# Altium PCB PE100-Rev1_1.PcbDoc (part 1 of 2) (continued)
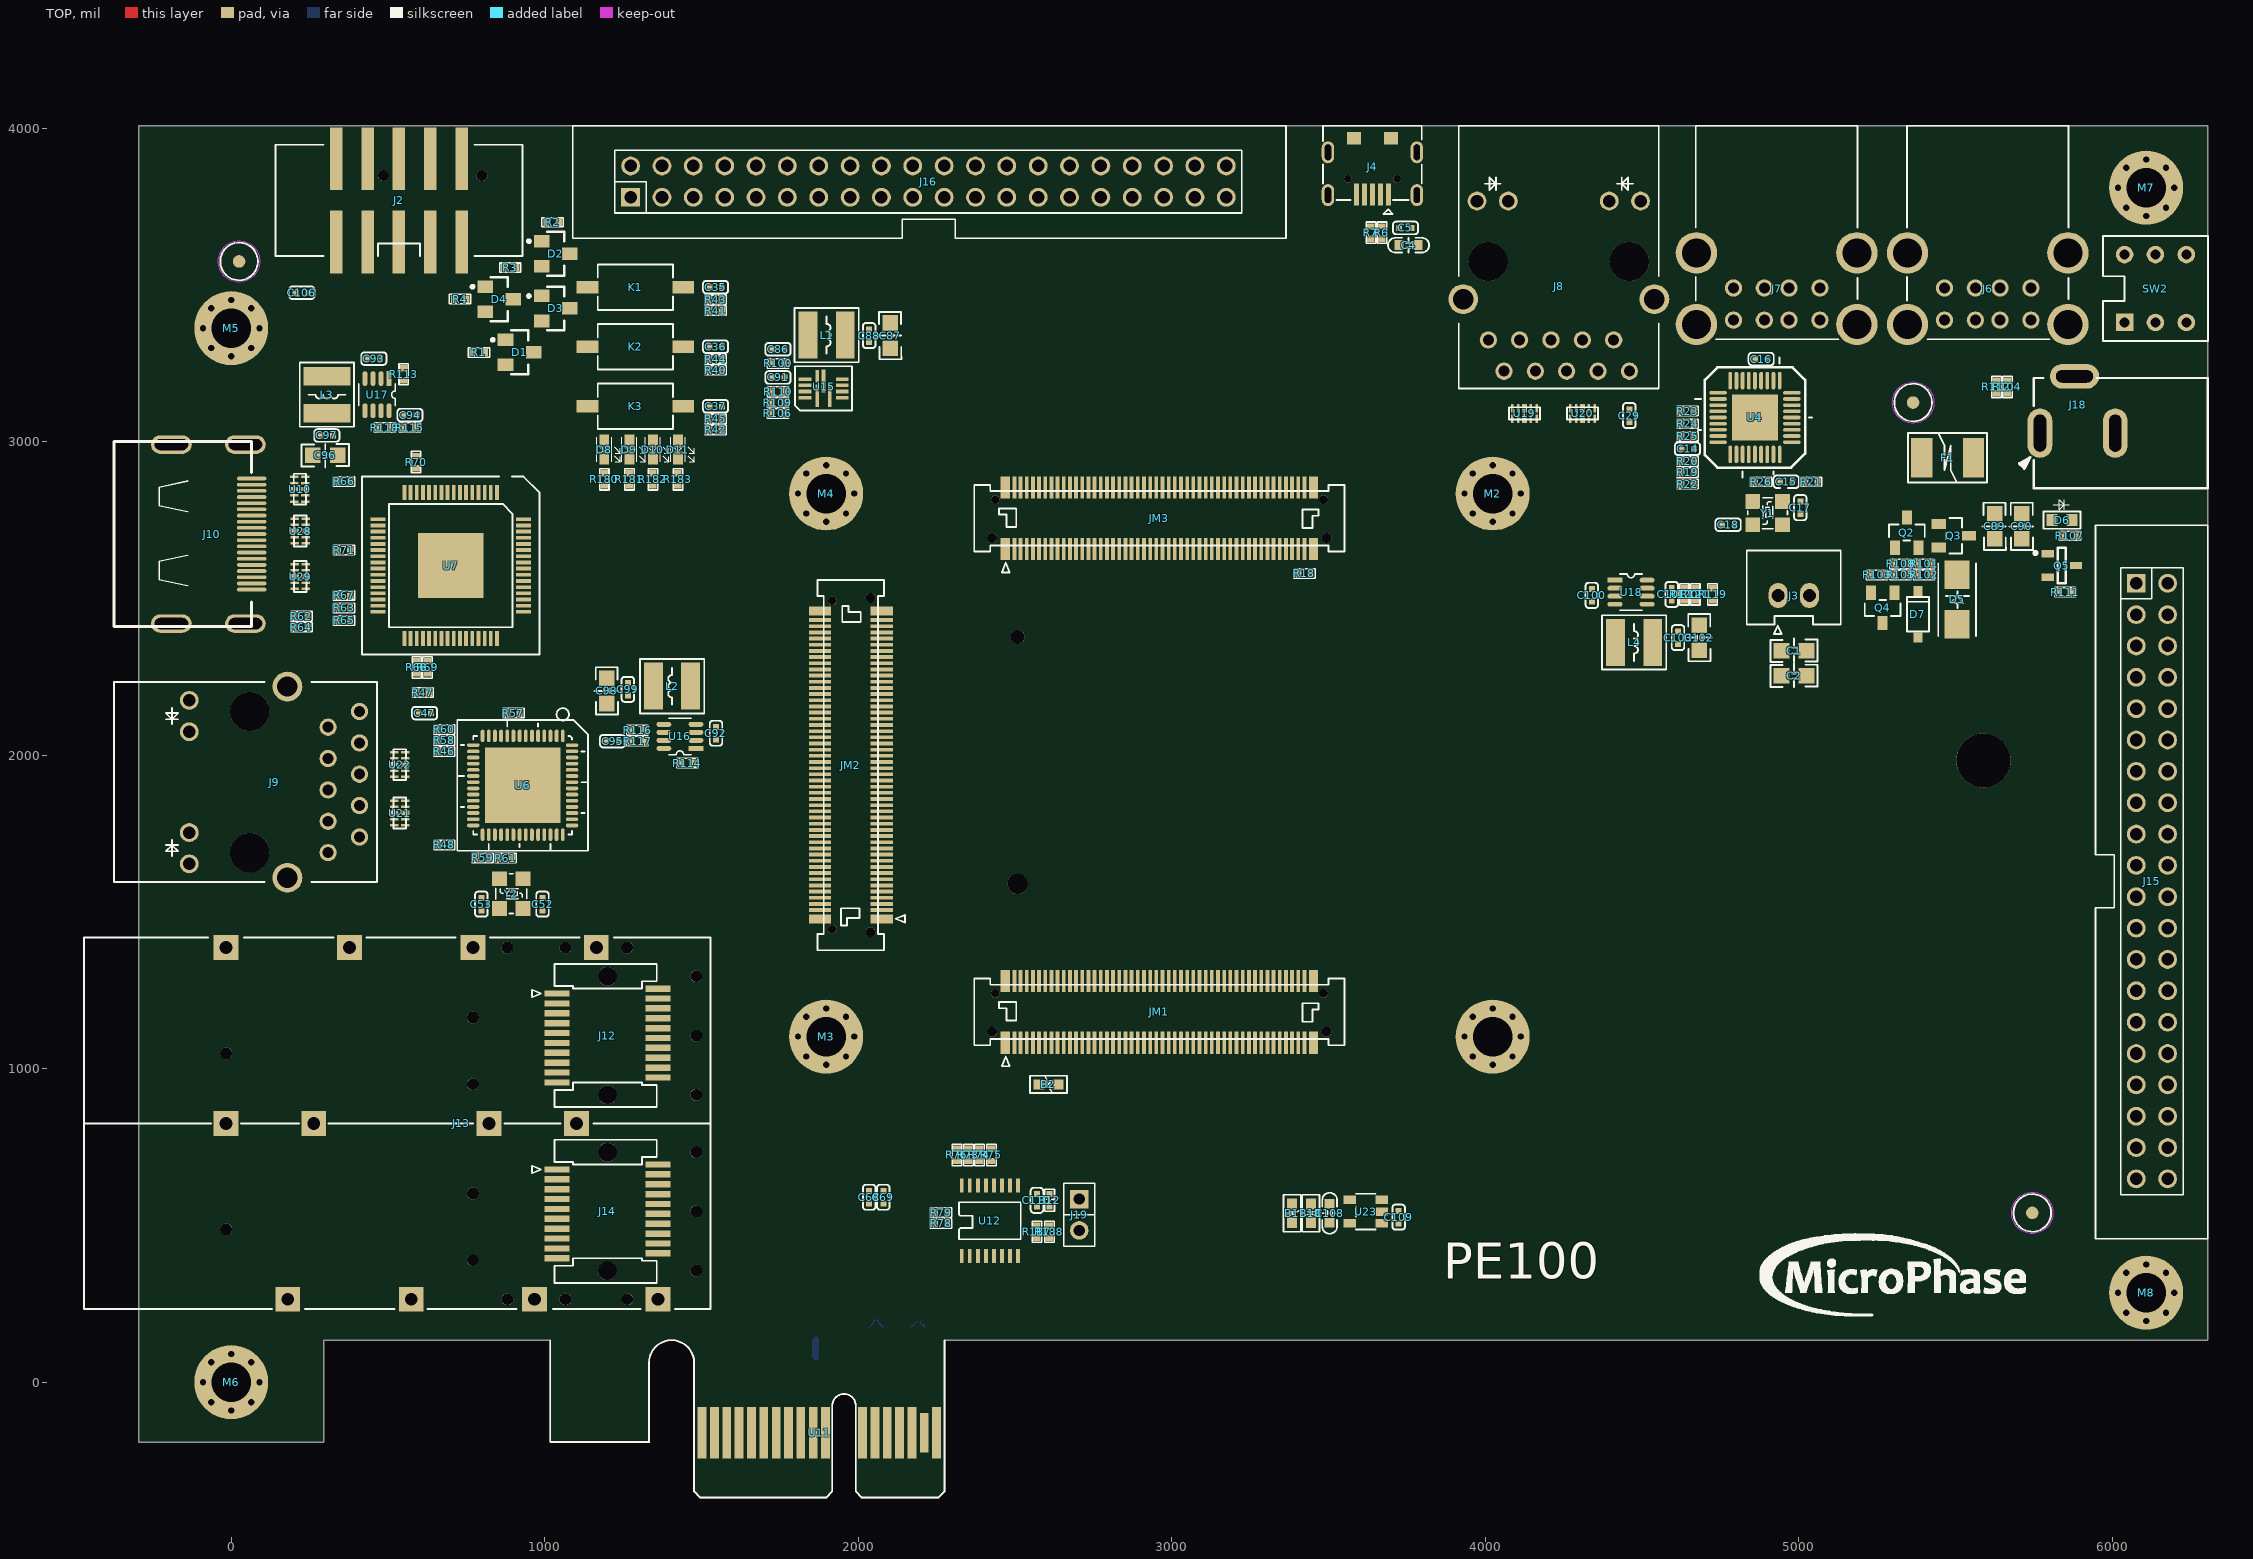
[diagram p0: TOP view]
## Components (designator, comment, footprint, x,y, rotation, side; value= is the part's Value field where it differs from the comment) (continued)
R45 "R_0402R_330R" 0402R#1 1544.69,3073 r180 top
R46 "RESISTOR_0402R_4.7K" 0402R#1 679.58,2012.3 r0 top
R47 "R_0402R_330R" 0402R#1 610.74,2200 r0 top
R48 "R_0402R_330R" 0402R#1 679.58,1714.04 r0 top
R57 "RESISTOR_0402R_4.7K" 0402R#1 900.04,2134.03 r0 top
R58 "RESISTOR_0402R_0R" 0402R#1 679.58,2047.3 r0 top
R59 "RESISTOR_0402R_4.99K 1%" 0402R#1 801.62,1672.78 r0 top
R60 "RESISTOR_0402R_0R(NC)" 0402R#1 679.58,2082.3 r0 top
R61 "R_0402R_10M(NC)" 0402R#1 875.2,1672.07 r180 top
R62 "RESISTOR_0402R_2K" 0402R#1 223.9,2443.42 r180 top
R63 "RESISTOR_0402R_0R" 0402R#1 360,2470 r0 top
R64 "RESISTOR_0402R_2K" 0402R#1 223.9,2408.42 r180 top
R65 "RESISTOR_0402R_0R" 0402R#1 360,2430 r0 top
R66 "RESISTOR_0402R_10K" 0402R#1 360,2873.46 r180 top
R67 "RESISTOR_0402R_2K" 0402R#1 360,2510 r0 top
R68 "RESISTOR_0402R_4.7K" 0402R#1 591.73,2280 r90 top
R69 "RESISTOR_0402R_4.7K" 0402R#1 626.26,2280 r90 top
R70 "RESISTOR_0402R_887R 1%" 0402R#1 590,2935 r90 top
R71 "RESISTOR_0402R_10K" 0402R#1 360,2654.21 r0 top
R72 "RESISTOR_0402R_DNI" 0402R#1 1845,135 r0 bottom
R73 "RESISTOR_0402R_22R" 0402R#1 2351.32,725 r90 top
R74 "RESISTOR_0402R_22R" 0402R#1 2386.32,725 r90 top
R75 "R_0402R_49R9" 0402R#1 2425,725 r270 top
R76 "R_0402R_49R9" 0402R#1 2315,725 r270 top
R78 "RES_0402R_0R" 0402R#1 2264.3,506.25 r0 top
R79 "RES_0402R_0R" 0402R#1 2264.3,541.25 r0 top
R80 "RESISTOR_0402R_10K" 0402R#1 2729.37,2258.7 r0 bottom
R81 "RESISTOR_0402R_10K" 0402R#1 2729.37,2045 r0 bottom
R82 "RESISTOR_0402R_10K" 0402R#1 2729.37,2010 r0 bottom
R83 "RESISTOR_0402R_10K" 0402R#1 2729.37,1975 r0 bottom
R84 "RESISTOR_0402R_10K" 0402R#1 2729.37,1940 r0 bottom
R85 "RESISTOR_0402R_10K" 0402R#1 2729.37,1785 r0 bottom
R86 "RESISTOR_0402R_10K" 0402R#1 2802.91,1940 r0 bottom
R87 "RESISTOR_0402R_10K" 0402R#2 2179.37,1677.99 r0 bottom
R88 "RESISTOR_0402R_10K" 0402R#1 1170,1175 r0 bottom
R89 "RESISTOR_0402R_10K" 0402R#1 1170,1015 r0 bottom
R90 "RESISTOR_0402R_10K" 0402R#1 1170,1215 r0 bottom
R91 "RESISTOR_0402R_10K" 0402R#1 1170,1135 r0 bottom
R92 "RESISTOR_0402R_10K" 0402R#1 1170,1095 r0 bottom
R93 "RESISTOR_0402R_10K" 0402R#1 1170,1055 r0 bottom
R94 "RESISTOR_0402R_10K" 0402R#1 1170,613.98 r0 bottom
R95 "RESISTOR_0402R_10K" 0402R#1 1170,453.98 r0 bottom
R96 "RESISTOR_0402R_10K" 0402R#1 1170,653.98 r0 bottom
R97 "RESISTOR_0402R_10K" 0402R#1 1170,573.98 r0 bottom
R98 "RESISTOR_0402R_10K" 0402R#1 1170,533.98 r0 bottom
R99 "RESISTOR_0402R_10K" 0402R#1 1170,493.98 r0 bottom
R100 "RES_0402R_3R3" 0402R#1 1744.25,3250 r180 top
R101 "R_0402R_30K" 0402R#1 5400,2610 r180 top
R102 "R_0402R_330R" 0402R#1 5400,2575 r180 top
R103 "R_0402R_4.7K" 0402R#1 5250,2575 r180 top
R104 "R_0402R_0R(NC)" 0402R#1 5665.63,3175 r270 top
R105 "R_0402R_10K" 0402R#1 5325,2575 r180 top
R106 "RES_0402R_100K" 0402R#1 1743.94,3090 r0 top
R107 "R_0402R_2K" 0402R#1 5865,2700 r0 top
R108 "R_0402R_30K" 0402R#1 5325,2610 r180 top
R109 "R_0402R_33K" 0402R#1 1743.94,3125 r180 top
R110 "RES_0402R_4.7K" 0402R#1 1744.56,3160 r180 top
R111 "R_0402R_10K" 0402R#1 5850,2520 r180 top
R112 "R_0402R_10K" 0402R#1 5630.63,3175 r270 top
R113 "RES_0402R_4.7K" 0402R#1 550,3215 r90 top
R114 "RES_0402R_4.7K" 0402R#1 1455,1975 r0 top
R115 "RES_0402R_20K 1%" 0402R#1 570,3045 r0 top
R116 "RES_0402R_6.8K 1%" 0402R#1 1296.26,2080 r180 top
R117 "RES_0402R_10K 1%" 0402R#1 1296.26,2045 r0 top
R118 "RES_0402R_10K 1%" 0402R#1 490,3045 r0 top
R119 "RES_0402R_4.7K" 0402R#1 4725,2513.11 r270 top
R120 "RES_0402R_45.3K 1%" 0402R#1 4635,2513.11 r270 top
R121 "RES_0402R_10K 1%" 0402R#1 4670,2513.11 r90 top
R177 "R_0402R_0R(NC)" 0402R#1 3365,3380 r270 bottom
R178 "R_0402R_0R(NC)" 0402R#1 3365,3455 r90 bottom
R179 "R_1206R_1M" 1206R 40,1980 r0 bottom
R180 "RESISTOR_0402R_330R" 0402R#1 1190,2880 r90 top
R181 "RESISTOR_0402R_330R" 0402R#1 1270,2880 r90 top
R182 "RESISTOR_0402R_330R" 0402R#1 1345,2880 r90 top
R183 "RESISTOR_0402R_330R" 0402R#1 1425,2880 r90 top
R184 "RES_0402R_0R" 0402R#1 2800,2258.7 r0 bottom
R185 "RES_0402R_0R(NC)" 0402R#1 2870,2258.7 r0 bottom
R186 "RES_0402R_100R 1%" 0402R#1 1775,1498.87 r270 bottom
R187 "RESISTOR_0402R_2K" 0402R#1 2570,480 r270 top
R188 "RESISTOR_0402R_2K" 0402R#1 2610,480 r90 top
SW2 "SW5_SW6-2P5-5P5_SW" SW6-2P5-5P5 6137.8,3488.62 r0 top
TP1 "TP_R_TP4_TP_R" TP4 422.1,3325 r0 bottom
U1 "USB2UART_CP2102_QFN28-0P5-5X5_C" QFN28-0P5-5X5 3643.21,3460 r270 bottom
U2 "LEVELSHIFT_TXS0102_SOP8-0P65-2X" SOP8-0P65-2X4 3443.21,3445 r0 bottom
U3 "LEVELSHIFT_TXS02612_SDIO_QFN24-" QFN24-0P5-4X4 870,3170 r0 bottom
U4 "USB2514_QFN36-0P5-6X6_USB2514" QFN36-0P5-6X6 4860.39,3077.24 r180 top
U5 "TPS2553DBV_SOT23-6_TPS2553DBV" SOT23-6 5182.52,3019.88 r90 bottom
U6 "88E1512_QFN56-0P5-8X8TS_88E1512" QFN56-0P5-8X8TS 929.58,1904.04 r270 top
U7 "ADV7513_QFP64_10X10_0P5_T_ADV75" QFP64_10X10_0P5_T 700,2605 r270 top
U10 "RCLAMP0564P_ESD_0524P_TPD4E05U0" ESD_0524P 218.9,2848.42 r90 top
U11 "PCIE_BRACKET_X1_PCIX-1PORT_PCIE" PCIX-1PORT 1837.42,-1557.1 r0 top
U12 "DSC557-0334SI0_TSSOP16-0P65-173" TSSOP16-0P65-173 2420,515 r0 top
U13 "OSC_3225_DIFF_TCXO3225_6P_OSC_D" TCXO3225_6P 1582,1476.23 r0 bottom
U15 "NB679 _NB679_NB679" NB679 1889.25,3170 r180 top
U16 "MP2143_SOT23-8_MP2143DJ" SOT23-8 1431.26,2060 r90 top
U17 "MP2143_SOT23-8_MP2143DJ" SOT23-8 465,3150 r180 top
U18 "MP2143_SOT23-8_MP2143DJ" SOT23-8 4465,2520 r270 top
U19 "RCLAMP0564P_ESD_0524P_TPD4E05U0" ESD_0524P 4125,3090 r0 top
U20 "RCLAMP0564P_ESD_0524P_TPD4E05U0" ESD_0524P 4310,3090 r0 top
U21 "RCLAMP0564P_ESD_0524P_TPD4E05U0" ESD_0524P 537.57,1815.46 r90 top
U22 "RCLAMP0564P_ESD_0524P_TPD4E05U0" ESD_0524P 537.57,1970 r90 top
U23 "SPX3819M5-2-5_SOT-23_SPX3819M5-" SOT-23 3618.86,543.89 r90 top
U28 "RCLAMP0564P_ESD_0524P_TPD4E05U0" ESD_0524P 220,2715 r90 top
U29 "RCLAMP0564P_ESD_0524P_TPD4E05U0" ESD_0524P 220,2570 r90 top
Y1 "CRYSTAL_4PIN_XTAL3225M_24M" XTAL3225M 4905.08,2772.24 r180 top
Y2 "CRYSTAL_4PIN_XTAL3225M_25M" XTAL3225M 892.91,1554.04 r90 top

## Footprints (in the part's own frame and the unit in brackets; to place one, negate y for a bottom-side part, rotate by r counter-clockwise, add the part's x,y. Pads: shape width x height; smd on the part's side, far side on the other; paste and mask are expansions set on the pad)
0402C#1 [mil] "0402C"
  rect 19x19 smd: 1(0,20) 2(0,-20)
  silkscreen extent -20,-40 20,40, body extent -21,-35 21,35, height 150
0402C#2 [mil] "0402C"
  rect 19x19 smd: 1(0,-20) 2(0,20)
  silkscreen extent -20,-40 20,40, body extent -21,-35 21,35, height 150
0402L [mil] "0402L"
  rect 19.69x19.69 smd: 1(-20.59,0.19) 2(19.41,0.19)
  silkscreen extent -36,-16 35,16, body extent -34,-14 34,14, height 150
0402R#1 [mil] "0402R"
  rect 20x24 smd: 1(-19.69,0) 2(19.69,0)
  silkscreen extent -34,-15 34,15, body extent -35,-15 35,15, height 150
0402R#2 [mil] "0402R"
  rect 20x24 smd: 1(19.69,0) 2(-19.69,0)
  silkscreen extent -34,-15 34,15, body extent -35,-15 35,15, height 150
0603C#1 [mil] "0603C"
  rect 32x30 smd: 1(0,30) 2(0,-30)
  silkscreen extent -24,-65 24,65, body extent -24,-61 24,61, height 150
0603C#2 [mil] "0603C"
  rect 32x30 smd: 1(0,-30) 2(0,30)
  silkscreen extent -24,-65 24,65, body extent -24,-61 24,61, height 150
0603F [mil] "0603F"
  rect 35x32 smd: 1(-30,0) 2(30,0)
  silkscreen extent -59,-28 59,28, body extent -55,-25 55,25, height 150
0603L#1 [mil] "0603L"
  rect 35x32 smd: 1(-30,0) 2(30,0)
  silkscreen extent -59,-28 59,28, body extent -55,-25 55,25, height 150
0603L#2 [mil] "0603L"
  rect 35x32 smd: 1(30,0) 2(-30,0)
  silkscreen extent -59,-28 59,28, body extent -55,-25 55,25, height 150
0603LED [mil] "0603LED"
  rect 35.43x31.5 smd: A(-30,0) K(30,0)
  silkscreen extent -40,-24 39,51, body extent -49,-24 49,24, height 150
0603LED_AK [mil] "0603LED_AK"
  rect 35.43x37.4 smd: A(31.5,0) K(-31.5,0)
  silkscreen extent -59,-65 59,28, body extent -59,-30 59,30, height 150
0805C#1 [mil] "0805C"
  rect 50x50 smd: 1(1.85,40) 2(1.85,-40)
  silkscreen extent -38,-75 38,75, body extent -38,-75 38,75, height 150
0805C#2 [mil] "0805C"
  rect 50x50 smd: 1(-1.85,-40) 2(-1.85,40)
  silkscreen extent -38,-75 38,75, body extent -38,-75 38,75, height 150
1206C#1 [mil] "1206C"
  rect 60x70 smd: 1(-59.5,0) 2(60.5,0)
  silkscreen extent -100,-45 100,45
1206C#2 [mil] "1206C"
  rect 60x70 smd: 1(59.5,0) 2(-60.5,0)
  silkscreen extent -100,-45 100,45, body extent -100,-45 100,45, height 150
1206R [mil] "1206R"
  rect 50x70 smd: 1(-60,0) 2(60,0)
  silkscreen extent -95,-45 95,45, body extent -95,-45 95,45, height 150
1812F [mil] "1812F"
  rect 68x126 smd: 1(-82.68,0) 2(82.68,0)
  silkscreen extent -126,-79 126,79, body extent -126,-79 126,79, height 150
1367073-1 [mil] "1367073-1"
  rect 80x20 smd: 1(-161.42,133.85) 2(-161.42,102.37) 3(-161.42,70.87) 4(-161.42,39.37) 5(-161.42,7.87) 6(-161.42,-23.62) 7(-161.42,-55.12) 8(-161.42,-86.61) 9(-161.42,-118.11) 10(-161.42,-149.6) 11(161.42,-133.85) 12(161.42,-102.36) 13(161.42,-70.86) 14(161.42,-39.38) 15(161.42,-7.88) 16(161.42,23.62) 17(161.42,55.11) 18(161.42,86.61) 19(161.42,118.11) 20(161.42,149.61)
  round 60 hole 60 unplated: ""(0,-188.97) ""(0,188.98)
  silkscreen extent -240,-228 157,228, body extent -173,-228 173,228, height 150
AO3415 [mm] "AO3415"
  rect 0.8x1.15 smd: D(0,1.225) G(-0.95,-1.225) S(0.95,-1.225)
  silkscreen extent -1.45,-0.65 1.45,0.65, body extent -1.5,-0.7 1.5,0.7, height 3.81
DC3_10P_2P54MM_SM [mil] "DC3_10P_2P54MM_SM"
  rect 200x40 smd: 1(132.68,-200) 2(-132.68,-200) 3(132.68,-100) 4(-132.68,-100) 5(132.68,0) 6(-132.68,0) 7(132.68,100) 8(-132.68,100) 9(132.68,200) 10(-132.68,200)
  silkscreen extent -177,-394 248,394, body extent -177,-394 177,394, height 150
DC_0050 [mm] "DC_0050"
  oval 2x4 hole 3 slot 1 at 0 deg: 1(-6.05,-0.75) 2(0.05,-0.75)
  oval 4x2 hole 1 slot 3 at 0 deg: 3(-3.25,3.85)
  silkscreen extent -7.75,-5.21 7.55,3.72, body extent -7.5,-5.25 7.5,5.25, height 3.81
ESD_0524P [mm] "ESD_0524P"
  rect 0.2x0.68 smd: 1(-1,-0.44) 2(-0.5,-0.44) 4(0.5,-0.44) 5(1,-0.44) 6(1,0.44) 7(0.5,0.44) 9(-0.5,0.44) 10(-1,0.44)
  rect 0.4x0.68 smd: 3(0,-0.44) 8(0,0.44)
  silkscreen extent -1.25,-1.4 1.25,0.5, body extent -1.3,-0.5 1.3,0.5, height 3.81
HDMI19S [mm] "HDMI19S"
  oval 0.3x2.4 smd: 1(4.5,5.5) 2(4,5.5) 3(3.5,5.5) 4(3,5.5) 5(2.5,5.5) 6(2,5.5) 7(1.5,5.5) 8(1,5.5) 9(0.5,5.5) 10(0,5.5) 11(-0.5,5.5) 12(-1,5.5) 13(-1.5,5.5) 14(-2,5.5) 15(-2.5,5.5) 16(-3,5.5) 17(-3.5,5.5) 18(-4,5.5) 19(-4.5,5.5)
  oval 1.5x3.3 hole 0.9 slot 2.7 at 90 deg: BO1(7.25,5) BO2(-7.25,5) BO3(7.25,-1) BO4(-7.25,-1)
  silkscreen extent -7.5,-5.65 7.5,5.5, body extent -7.5,-5.5 7.5,5.5, height 3.81
HOLE32CIR60 [mil] "HOLE32CIR60"
  round 236 hole 126: 1(0,0)
  round 40 hole 20: ""(-90,0) ""(-63.64,-63.64) ""(-63.64,63.64) ""(0,-90) ""(0,90) ""(63.64,-63.64) ""(63.64,63.64) ""(90,0)
  body extent -125,-125 125,125, height 150
HOLE173NH-TOP [mil] "HOLE173NH-TOP"
  rect 31.5x31.5 smd: 1(-46.71,112.56)
  round 173 hole 173 unplated: ""(0,0)
  silkscreen extent -155,-155 155,155, body extent -196,-196 196,196, height 150
IDC40-2_54A [mil] "IDC40-2_54A"
  rect 60x60 hole 40: 1(-952.5,-50)
  round 60 hole 40: 2(-952.5,50) 3(-852.5,-50) 4(-852.5,50) 5(-752.5,-50) 6(-752.5,50) 7(-652.5,-50) 8(-652.5,50) 9(-552.5,-50) 10(-552.5,50) 11(-452.5,-50) 12(-452.5,50) 13(-352.5,-50) 14(-352.5,50) 15(-252.5,-50) 16(-252.5,50) 17(-152.5,-50) 18(-152.5,50) 19(-52.5,-50) 20(-52.5,50) 21(47.5,-50) 22(47.5,50) 23(147.5,-50) 24(147.5,50) 25(247.5,-50) 26(247.5,50) 27(347.5,-50) 28(347.5,50) 29(447.5,-50) 30(447.5,50) 31(547.5,-50) 32(547.5,50) 33(647.5,-50) 34(647.5,50) 35(747.5,-50) 36(747.5,50) 37(847.5,-50) 38(847.5,50) 39(947.5,-50) 40(947.5,50)
  silkscreen extent -1138,-180 1138,178, body extent -1137,-180 1138,180, height 150
L0805#1 [mm] "L0805"
  rect 1.1x1.3 smd: 1(0.95,0) 2(-0.95,0)
  silkscreen extent -1.85,-1 1.85,1, body extent -1.75,-0.9 1.75,0.9, height 3.81
L0805#2 [mm] "L0805"
  rect 1.1x1.3 smd: 1(-0.95,0) 2(0.95,0)
  silkscreen extent -1.85,-1 1.85,1, body extent -1.75,-0.9 1.75,0.9, height 3.81
L4020 [mil] "L4020"
  rect 60x150 smd: 1(-59.06,0) 2(59.06,0)
  silkscreen extent -102,-87 102,87, body extent -94,-83 94,83, height 150
M2_KEY_M_SOCKET [mil] "M2_KEY_M_SOCKET"
  rect 62x12 smd: 1(-148.62,-364.17) 2(148.62,-354.33) 3(-148.62,-344.49) 4(148.62,-334.65) 5(-148.62,-324.8) 6(148.62,-314.96) 7(-148.62,-305.12) 8(148.62,-295.28) 9(-148.62,-285.43) 10(148.62,-275.59) 11(-148.62,-265.75) 12(148.62,-255.91) 13(-148.62,-246.06) 14(148.62,-236.22) 15(-148.62,-226.38) 16(148.62,-216.54) 17(-148.62,-206.69) 18(148.62,-196.85) 19(-148.62,-187.01) 20(148.62,-177.17) 21(-148.62,-167.32) 22(148.62,-157.48) 23(-148.62,-147.64) 24(148.62,-137.79) 25(-148.62,-127.95) 26(148.62,-118.11) 27(-148.62,-108.27) 28(148.62,-98.42) 29(-148.62,-88.58) 30(148.62,-78.74) 31(-148.62,-68.9) 32(148.62,-59.06) 33(-148.62,-49.21) 34(148.62,-39.37) 35(-148.62,-29.53) 36(148.62,-19.68) 37(-148.62,-9.84) 38(148.62,0) 39(-148.62,9.84) 40(148.62,19.68) 41(-148.62,29.53) 42(148.62,39.37) 43(-148.62,49.21) 44(148.62,59.06) 45(-148.62,68.9) 46(148.62,78.74) 47(-148.62,88.58) 48(148.62,98.42) 49(-148.62,108.27) 50(148.62,118.11) 51(-148.62,127.95) 52(148.62,137.8) 53(-148.62,147.64) 54(148.62,157.48) 55(-148.62,167.32) 56(148.62,177.16) 57(-148.62,187.01) 58(148.62,196.85) 67(-148.62,285.43) 68(148.62,295.28) 69(-148.62,305.12) 70(148.62,314.96) 71(-148.62,324.8) 72(148.62,334.65) 73(-148.62,344.49) 74(148.62,354.33) 75(-148.62,364.17)
  rect 110x48 smd: ""(-118.11,-407.48) ""(-118.11,407.48)
  round 45 hole 45 unplated: ""(59.05,-393.7)
  round 65 hole 65 unplated: ""(59.05,393.7)
  silkscreen extent -222,-433 3227,433, body extent -157,-433 157,433, height 150
NB679 [mil] "NB679"
  rect 12x72 smd: 1(19.69,23.62) 2(-19.69,23.62) 7(0,-23.62)
  rect 40x12 smd: 3(-59.06,29.53) 4(-59.06,9.84) 5(-59.06,-9.84) 6(-59.06,-29.53) 9(59.06,-29.53) 10(59.06,-9.84) 11(59.06,9.84) 12(59.06,29.53)
  rect 12x40 smd: 8(19.69,-39.37)
  silkscreen extent -91,-71 91,98, body extent -67,-52 67,52, height 150
PCIX-1PORT [mil] "PCIX-1PORT"
  rect 28x126 smd far side: A1(-335.45,1395.62)
  rect 28x165 smd far side: A2(-296.08,1395.62) A3(-256.71,1395.62) A4(-217.34,1395.62) A5(-177.97,1395.62) A6(-138.6,1395.62) A7(-99.23,1395.62) A8(-59.86,1395.62) A9(-20.49,1395.62) A10(18.88,1395.62) A11(58.25,1395.62) A12(176.37,1395.62) A13(215.74,1395.62) A14(255.11,1395.62) A15(294.48,1395.62) A16(333.85,1395.62) A17(373.22,1395.62) A18(412.59,1395.62)
  rect 28x165 smd: B1(-335.45,1395.62) B2(-296.08,1395.62) B3(-256.71,1395.62) B4(-217.34,1395.62) B5(-177.97,1395.62) B6(-138.6,1395.62) B7(-99.23,1395.62) B8(-59.86,1395.62) B9(-20.49,1395.62) B10(18.88,1395.62) B11(58.25,1395.62) B12(176.37,1395.62) B13(215.74,1395.62) B14(255.11,1395.62) B15(294.48,1395.62) B16(333.85,1395.62) B18(412.59,1395.62)
  rect 28x126 smd: B17(373.22,1395.62)
  silkscreen extent -820,1189 438,1691
QFN24-0P5-4X4 [mil] "QFN24-0P5-4X4"
  oval 32x10 smd: 1(75.78,-49.22) 2(75.78,-29.54) 3(75.78,-9.85) 4(75.78,9.83) 5(75.78,29.52) 6(75.78,49.2) 13(-75.78,49.2) 14(-75.78,29.52) 15(-75.78,9.83) 16(-75.78,-9.85) 17(-75.78,-29.54) 18(-75.78,-49.22)
  oval 10x32 smd: 7(49.22,75.8) 8(29.54,75.8) 9(9.85,75.8) 10(-9.83,75.8) 11(-29.52,75.8) 12(-49.2,75.8) 19(-49.2,-75.8) 20(-29.52,-75.8) 21(-9.83,-75.8) 22(9.85,-75.8) 23(29.53,-75.8) 24(49.22,-75.8)
  rect 80x80 smd: 25(0,0)
  silkscreen extent -86,-85 110,86, body extent -87,-87 87,87, height 150
QFN28-0P5-5X5 [mil] "QFN28-0P5-5X5"
  oval 36x12 smd: 1(-94.49,59.07) 2(-94.49,39.39) 3(-94.49,19.7) 4(-94.49,0.02) 5(-94.49,-19.67) 6(-94.49,-39.36) 7(-94.49,-59.04) 15(94.49,-59.04) 16(94.49,-39.36) 17(94.49,-19.67) 18(94.49,0.01) 19(94.49,19.7) 20(94.49,39.39) 21(94.49,59.07)
  oval 12x36 smd: 8(-59.07,-94.48) 9(-39.38,-94.48) 10(-19.7,-94.48) 11(-0.01,-94.48) 12(19.67,-94.48) 13(39.36,-94.48) 14(59.04,-94.48) 22(59.05,94.48) 23(39.37,94.48) 24(19.68,94.48) 25(0,94.48) 26(-19.69,94.48) 27(-39.37,94.48) 28(-59.06,94.48)
  rect 110.24x110.24 smd: 29(0,0)
  silkscreen extent -132,-144 144,133, body extent -110,-110 110,110, height 150
QFN36-0P5-6X6 [mil] "QFN36-0P5-6X6"
  oval 56x12 smd: 1(-117.59,78.74) 2(-117.59,59.06) 3(-117.59,39.37) 4(-117.59,19.69) 5(-117.59,0) 6(-117.59,-19.69) 7(-117.59,-39.37) 8(-117.59,-59.06) 9(-117.59,-78.74) 19(117.59,-78.74) 20(117.59,-59.06) 21(117.59,-39.37) 22(117.59,-19.69) 23(117.59,0) 24(117.59,19.69) 25(117.59,39.37) 26(117.59,59.06) 27(117.59,78.74)
  oval 12x56 smd: 10(-78.74,-117.59) 11(-59.06,-117.59) 12(-39.37,-117.59) 13(-19.69,-117.59) 14(0,-117.59) 15(19.69,-117.59) 16(39.37,-117.59) 17(59.06,-117.59) 18(78.74,-117.59) 28(78.74,117.59) 29(59.06,117.59) 30(39.37,117.59) 31(19.69,117.59) 32(0,117.59) 33(-19.69,117.59) 34(-39.37,117.59) 35(-59.06,117.59) 36(-78.74,117.59)
  rect 146x146 smd: 37(0,0)
  silkscreen extent -197,-192 192,192, body extent -205,-205 205,205, height 150
QFN56-0P5-8X8TS [mil] "QFN56-0P5-8X8TS"
  oval 40x12 smd: 1(-157.48,127.95) 2(-157.48,108.27) 3(-157.48,88.58) 4(-157.48,68.9) 5(-157.48,49.21) 6(-157.48,29.53) 7(-157.48,9.84) 8(-157.48,-9.84) 9(-157.48,-29.53) 10(-157.48,-49.21) 11(-157.48,-68.9) 12(-157.48,-88.58) 13(-157.48,-108.27) 14(-157.48,-127.95) 29(157.48,-127.95) 30(157.48,-108.27) 31(157.48,-88.58) 32(157.48,-68.9) 33(157.48,-49.21) 34(157.48,-29.53) 35(157.48,-9.84) 36(157.48,9.84) 37(157.48,29.53) 38(157.48,49.21) 39(157.48,68.9) 40(157.48,88.58) 41(157.48,108.27) 42(157.48,127.95)
  oval 12x40 smd: 15(-127.95,-157.48) 16(-108.27,-157.48) 17(-88.58,-157.48) 18(-68.9,-157.48) 19(-49.21,-157.48) 20(-29.53,-157.48) 21(-9.84,-157.48) 22(9.84,-157.48) 23(29.53,-157.48) 24(49.21,-157.48) 25(68.9,-157.48) 26(88.58,-157.48) 27(108.27,-157.48) 28(127.95,-157.48) 43(127.95,157.48) 44(108.27,157.48) 45(88.58,157.48) 46(68.9,157.48) 47(49.21,157.48) 48(29.53,157.48) 49(9.84,157.48) 50(-9.84,157.48) 51(-29.53,157.48) 52(-49.21,157.48) 53(-68.9,157.48) 54(-88.58,157.48) 55(-108.27,157.48) 56(-127.95,157.48)
  rect 240x240 smd: 57(0,0)
  silkscreen extent -246,-209 209,209, body extent -189,-189 189,189, height 150
QFP64_10X10_0P5_T [mil] "QFP64_10X10_0P5_T"
  rect 48x12 smd: 1(-232.28,147.64) 2(-232.28,127.95) 3(-232.28,108.27) 4(-232.28,88.58) 5(-232.28,68.9) 6(-232.28,49.21) 7(-232.28,29.53) 8(-232.28,9.84) 9(-232.28,-9.84) 10(-232.28,-29.53) 11(-232.28,-49.21) 12(-232.28,-68.9) 13(-232.28,-88.58) 14(-232.28,-108.27) 15(-232.28,-127.95) 16(-232.28,-147.64) 33(232.28,-147.64) 34(232.28,-127.95) 35(232.28,-108.27) 36(232.28,-88.58) 37(232.28,-68.9) 38(232.28,-49.21) 39(232.28,-29.53) 40(232.28,-9.84) 41(232.28,9.84) 42(232.28,29.53) 43(232.28,49.21) 44(232.28,68.9) 45(232.28,88.58) 46(232.28,108.27) 47(232.28,127.95) 48(232.28,147.64)
  rect 12x48 smd: 17(-147.64,-232.28) 18(-127.95,-232.28) 19(-108.27,-232.28) 20(-88.58,-232.28) 21(-68.9,-232.28) 22(-49.21,-232.28) 23(-29.53,-232.28) 24(-9.84,-232.28) 25(9.84,-232.28) 26(29.53,-232.28) 27(49.21,-232.28) 28(68.9,-232.28) 29(88.58,-232.28) 30(108.27,-232.28) 31(127.95,-232.28) 32(147.64,-232.28) 49(147.64,232.28) 50(127.95,232.28) 51(108.27,232.28) 52(88.58,232.28) 53(68.9,232.28) 54(49.21,232.28) 55(29.53,232.28) 56(9.84,232.28) 57(-9.84,232.28) 58(-29.53,232.28) 59(-49.21,232.28) 60(-68.9,232.28) 61(-88.58,232.28) 62(-108.27,232.28) 63(-127.95,232.28) 64(-147.64,232.28)
  rect 208.66x208.66 smd: 65(0,0)
  silkscreen extent -283,-283 283,283, body extent -244,-244 244,244, height 150
QT51A01-38200-7H [mm] "QT51A01-38200-7H"
  rect 1.8x0.75 smd: 1(-2.5,12.479) 2(2.5,12.479) 99(-2.5,-12.479) 100(2.5,-12.479)
  rect 1.8x0.305 smd: 3(-2.5,11.75) 4(2.5,11.75) 5(-2.5,11.25) 6(2.5,11.25) 7(-2.5,10.75) 8(2.5,10.75) 9(-2.5,10.25) 10(2.5,10.25) 11(-2.5,9.75) 12(2.5,9.75) 13(-2.5,9.25) 14(2.5,9.25) 15(-2.5,8.75) 16(2.5,8.75) 17(-2.5,8.25) 18(2.5,8.25) 19(-2.5,7.75) 20(2.5,7.75) 21(-2.5,7.25) 22(2.5,7.25) 23(-2.5,6.75) 24(2.5,6.75) 25(-2.5,6.25) 26(2.5,6.25) 27(-2.5,5.75) 28(2.5,5.75) 29(-2.5,5.25) 30(2.5,5.25) 31(-2.5,4.75) 32(2.5,4.75) 33(-2.5,4.25) 34(2.5,4.25) 35(-2.5,3.75) 36(2.5,3.75) 37(-2.5,3.25) 38(2.5,3.25) 39(-2.5,2.75) 40(2.5,2.75) 41(-2.5,2.25) 42(2.5,2.25) 43(-2.5,1.75) 44(2.5,1.75) 45(-2.5,1.25) 46(2.5,1.25) 47(-2.5,0.75) 48(2.5,0.75) 49(-2.5,0.25) 50(2.5,0.25) 51(-2.5,-0.25) 52(2.5,-0.25) 53(-2.5,-0.75) 54(2.5,-0.75) 55(-2.5,-1.25) 56(2.5,-1.25) 57(-2.5,-1.75) 58(2.5,-1.75) 59(-2.5,-2.25) 60(2.5,-2.25) 61(-2.5,-2.75) 62(2.5,-2.75) 63(-2.5,-3.25) 64(2.5,-3.25) 65(-2.5,-3.75) 66(2.5,-3.75) 67(-2.5,-4.25) 68(2.5,-4.25) 69(-2.5,-4.75) 70(2.5,-4.75) 71(-2.5,-5.25) 72(2.5,-5.25) 73(-2.5,-5.75) 74(2.5,-5.75) 75(-2.5,-6.25) 76(2.5,-6.25) 77(-2.5,-6.75) 78(2.5,-6.75) 79(-2.5,-7.25) 80(2.5,-7.25) 81(-2.5,-7.75) 82(2.5,-7.75) 83(-2.5,-8.25) 84(2.5,-8.25) 85(-2.5,-8.75) 86(2.5,-8.75) 87(-2.5,-9.25) 88(2.5,-9.25) 89(-2.5,-9.75) 90(2.5,-9.75) 91(-2.5,-10.25) 92(2.5,-10.25) 93(-2.5,-10.75) 94(2.5,-10.75) 95(-2.5,-11.25) 96(2.5,-11.25) 97(-2.5,-11.75) 98(2.5,-11.75)
  round 0.8 hole 0.8 unplated: ""(-1.6,13.55) ""(-1.6,-13.55)
  round 0.7 hole 0.7 unplated: ""(1.5,13.3) ""(1.5,-13.3)
  silkscreen extent -4.4,-15 2.7,15, body extent -2.7,-15 2.7,15, height 3.81
RJ45_HR911130A [mil] "RJ45_HR911130A"
  round 55 hole 35: 1(225.2,-363.78) 2(175.2,-263.78) 3(125.2,-363.78) 4(75.2,-263.78) 5(25.2,-363.78) 6(-24.8,-263.78) 7(-74.8,-363.78) 8(-124.8,-263.78) 9(-174.8,-363.78) 10(-224.8,-263.78)
  round 60 hole 40: 11(260.83,179.13) 12(160.83,179.13) 13(-160.83,179.13) 14(-260.83,179.13)
  round 95 / inner round 85 / far side round 95 hole 65: 15(304.92,-133.86) 16(-304.92,-133.86)
  round 125 hole 125 unplated: ""(-225,-13.78) ""(225,-13.78)
  silkscreen extent -319,-419 319,419, body extent -319,-419 319,419, height 150
SFPX2_CASE [mil] "SFPX2_CASE"
  rect 79x79 / inner round 79 / far side rect 79x79 hole 41: 1(-555.52,349.41) 2(-555.52,-44.29) 3(-555.52,-438) 4(-555.52,-831.69) 5(5.5,546.26) 6(5.5,266.74) 7(5.5,-292.32) 8(5.5,-571.85) 9(566.52,546.26) 10(566.52,152.56) 11(566.52,-241.14) 12(566.52,-634.84)
  round 38 hole 38 unplated: ""(-555.52,-733.27) ""(-555.52,-536.42) ""(-555.52,-351.39) ""(-464.18,-953.74) ""(-430.72,-241.15) ""(-332.29,546.26) ""(-275.21,-953.74) ""(-218.12,-241.14) ""(-86.23,-953.74) ""(96.84,-953.74) ""(130.3,-241.14) ""(228.73,546.26) ""(285.81,-953.74) ""(342.9,-241.14) ""(474.79,-953.74) ""(566.52,-733.27) ""(566.52,-536.42) ""(566.52,-351.39)
  silkscreen extent -587,-999 598,999, body extent -606,-1007 606,1007, height 150
SIP2-2P54 [mil] "SIP2-2P54"
  rect 59.06x59.06 / inner round 59.06 / far side rect 59.06x59.06 hole 35.43: 1(-49.2,0)
  round 59.06 hole 35.43: 2(50.8,0)
  silkscreen extent -99,-50 101,50, body extent -148,-50 149,50, height 150
SMA [mm] "SMA"
  rect 2.3x2 smd: A(-2,0) K(2,0)
  silkscreen extent -2.99,-1.52 2.93,1.52, body extent -3.17,-1.52 3.17,1.52, height 3.81
SOD123_AK [mil] "SOD123_AK"
  rect 32x28 smd: A(73.84,0) K(-73.8,0)
  silkscreen extent -55,-35 55,35, body extent -90,-35 90,35, height 150
SOP8-0P65-2X4 [mil] "SOP8-0P65-2X4"
  rect 16x48 smd: 1(38.58,78.74)
  oval 16x48 smd: 2(12.99,78.74) 3(-12.99,78.74) 4(-38.58,78.74) 5(-38.58,-78.74) 6(-12.99,-78.74) 7(12.99,-78.74) 8(38.58,-78.74)
  silkscreen extent -54,-47 84,118, body extent -55,-122 55,122, height 150
SOT23 [mm] "SOT23"
  rect 1x0.6 smd: 1(-1.15,0.95) 2(-1.15,-0.95) 3(1.15,0)
  silkscreen extent -2.27,-1.45 0.33,1.45, body extent -1.9,-1.8 1.9,1.8, height 3.81
SOT23-3 [mil] "SOT23-3"
  rect 31.5x45.28 smd: 1(-37.4,-48.23) 2(37.4,-48.23) 3(0,48.23)
  silkscreen extent -57,-26 57,26, body extent -59,-28 59,28, height 150
SOT23-6 [mil] "SOT23-6"
  rect 40x24 smd: 1(-55.12,37.4) 2(-55.12,0) 3(-55.12,-37.4) 4(55.12,-37.4) 5(55.12,0) 6(55.12,37.4)
  silkscreen extent -28,-59 28,59
SOT23-8 [mm] "SOT23-8"
  rect 0.4x1.2 smd: 1(-0.975,-1.3)
  oval 0.4x1.2 smd: 2(-0.325,-1.3) 3(0.325,-1.3) 4(0.975,-1.3) 5(0.975,1.3) 6(0.325,1.3) 7(-0.325,1.3) 8(-0.975,1.3)
  silkscreen extent -1.48,-0.9 1.48,0.9, body extent -1.5,-1.9 1.5,1.9, height 3.81
SOT23-236AB [mil] "SOT23-236AB"
  rect 40x50 smd: 1(-40,-45) 2(40,-45) 3(0,45)
  silkscreen extent -70,-90 70,28, body extent -61,-54 61,54, height 150
SOT-23 [mil] "SOT-23"
  rect 27x39 smd: 1(-37.4,-50.98) 2(0,-50.98) 3(37.4,-50.98) 4(37.4,50.98) 5(-37.4,50.98)
  silkscreen extent -57,-32 57,32, body extent -65,-78 65,78, height 150
SW2_3X6 [mil] "SW2_3X6"
  rect 70x40 smd: 1(-152.56,2.5) 2(152.56,2.5)
  silkscreen extent -120,-70 120,75, body extent -195,-78 195,78, height 150
SW6-2P5-5P5 [mil] "SW6-2P5-5P5"
  rect 56x56 / inner round 56 / far side rect 56x56 hole 32: 1(-98.43,-108.27)
  round 56 hole 32: 2(0,-108.27) 3(98.43,-108.27) 4(-98.43,108.27) 5(0,108.27) 6(98.43,108.27)
  silkscreen extent -167,-167 167,167
TCXO3225_6P [mil] "TCXO3225_6P"
  rect 40x40 smd: 1(-31.5,44.29) 3(-31.5,-44.29) 4(31.5,-44.29) 6(31.5,44.29)
  rect 40x24 smd: 2(-31.5,0) 5(31.5,0)
  silkscreen extent -98,-75 63,75, body extent -54,-66 54,66, height 150
TF-15-15B [mm] "TF-15-15B"
  rect 0.7x1.4 smd: 1(2.244,7.1) 2(1.144,7.1) 3(0.044,7.1) 4(-1.056,7.1) 5(-2.156,7.1) 6(-3.256,7.1) 7(-4.356,7.1) 8(-5.456,7.1) 9(-6.556,7.1)
  rect 1.6x1.4 smd: 10(-8.006,6.5) 11(6.844,6.5)
  rect 1.2x2.2 smd: 12(-7.756,-3.1) 13(7.744,-3.1)
  round 0.9 hole 0.9 unplated: ""(-4.956,-3.5) ""(3.044,-3.5)
  silkscreen extent -7.51,-12.7 7.49,7.5, body extent -7.49,-7.5 7.49,7.5, height 3.81
TP4 [mm] "TP4"
  round 1 smd: 1(0,0)
  body extent -0.45,-0.45 0.45,0.45, height 3.81
TSSOP16-0P65-173 [mil] "TSSOP16-0P65-173"
  rect 12x44 smd: 1(-89.57,-112.2) 2(-63.98,-112.2) 3(-38.39,-112.2) 4(-12.8,-112.2) 5(12.8,-112.2) 6(38.39,-112.2) 7(63.98,-112.2) 8(89.57,-112.2) 9(89.57,112.21) 10(63.98,112.21) 11(38.39,112.21) 12(12.8,112.21) 13(-12.8,112.21) 14(-38.39,112.21) 15(-63.98,112.21) 16(-89.57,112.21)
  silkscreen extent -102,-169 98,59, body extent -110,-150 110,150, height 150
USB_TPYEA_DUAL [mil] "USB_TPYEA_DUAL"
  round 55 hole 35: A1(177.17,137.8) A2(177.17,39.37) A3(177.17,-39.37) A4(177.17,-137.8) B1(279.53,137.8) B2(279.53,39.37) B3(279.53,-39.37) B4(279.53,-137.8)
  round 132 hole 92: S1(293.31,255.91) S2(293.31,-255.91) S3(64.96,255.91) S4(64.96,-255.91)
  silkscreen extent -341,-258 341,258, body extent -341,-258 341,258, height 150
USBMICRO_H [mil] "USBMICRO_H"
  rect 16x70 smd: 1(-51.18,97.5) 2(-25.59,97.5) 3(0,97.5) 4(25.59,97.5) 5(51.18,97.5)
  oval 40x70 hole 50 slot 20 at 0 deg: 6(-141.73,99.7) 7(141.73,99.7) 8(-141.73,-36.91) 9(141.73,-36.91)
  rect 44x40 smd: 10(-59.06,-82.19) 11(59.06,-82.19)
  round 24 hole 24 unplated: ""(-78.74,47.74) ""(78.74,47.74)
  silkscreen extent -157,-122 157,160, body extent -165,-138 165,138, height 150
XH2_1X2_2P54MM [mil] "XH2_1X2_2P54MM"
  oval 80x60 / inner round 60 / far side oval 80x60 hole 40: 1(25.59,-49.8) 2(25.59,50.2)
  silkscreen extent -118,-150 149,150, body extent -118,-150 118,150, height 150
XTAL3225M [mm] "XTAL3225M"
  rect 1.2x1.2 smd: 1(-1.09,-0.95) 2(1.31,-0.95) 3(1.31,0.95) 4(-1.09,0.95)
  silkscreen extent -1.5,-1.99 1.71,1.25, body extent -2.01,-1.65 2.23,1.65, height 3.81

## Free pads (board coordinates)
  round 40 smd: 1(25,3575) 1(5365,3124.95) 1(5745,539.95)
  round 40 smd far side: 1(50,3609.95) 1(1615,370) 1(5835,474.95)

## Text inside footprints (layer, text, board x,y; h text height)
C102: PIN_NUMBER "1" at 4673.15,2335 h25 r180; PIN_NUMBER "2" at 4673.15,2415 h25 r180
C103: PIN_NUMBER "1" at 4605,2355 h25 r180; PIN_NUMBER "2" at 4605,2395 h25 r180
C104: PIN_NUMBER "2" at -30,1880 h25; PIN_NUMBER "1" at 90,1880 h25
C105: PIN_NUMBER "1" at 3415,3305 h25 r90; PIN_NUMBER "2" at 3455,3305 h25 r90
C106: PIN_NUMBER "1" at 235,3475 h25 r270; PIN_NUMBER "2" at 195,3475 h25 r270
C108: PIN_NUMBER "2" at 3493.86,568.89 h25 r180; PIN_NUMBER "1" at 3493.86,508.89 h25 r180
C109: PIN_NUMBER "1" at 3713.86,506.49 h25 r180; PIN_NUMBER "2" at 3713.86,546.49 h25 r180
C110: PIN_NUMBER "2" at 2560,600.18 h25 r180; PIN_NUMBER "1" at 2560,560.18 h25 r180
C111: PIN_NUMBER "2" at 445,2465 h25 r270; PIN_NUMBER "1" at 485,2465 h25 r270
C112: PIN_NUMBER "2" at 890,2870 h25 r180; PIN_NUMBER "1" at 890,2830 h25 r180
C113: PIN_NUMBER "2" at 826.85,2925 h25 r180; PIN_NUMBER "1" at 826.85,2845 h25 r180
C114: PIN_NUMBER "2" at 885,2500 h25 r270; PIN_NUMBER "1" at 925,2500 h25 r270
C115: PIN_NUMBER "2" at 770,2715 h25; PIN_NUMBER "1" at 770,2755 h25
C116: PIN_NUMBER "2" at 530,2720 h25; PIN_NUMBER "1" at 530,2760 h25
C117: PIN_NUMBER "2" at 485,2600 h25 r90; PIN_NUMBER "1" at 445,2600 h25 r90
C118: PIN_NUMBER "2" at 466.85,2860 h25 r180; PIN_NUMBER "1" at 466.85,2780 h25 r180
C119: PIN_NUMBER "2" at 485,2715 h25 r90; PIN_NUMBER "1" at 445,2715 h25 r90
C120: PIN_NUMBER "2" at 575,2720 h25; PIN_NUMBER "1" at 575,2760 h25
C121: PIN_NUMBER "2" at 683.15,2680 h25; PIN_NUMBER "1" at 683.15,2760 h25
C122: PIN_NUMBER "2" at 620,2720 h25; PIN_NUMBER "1" at 620,2760 h25
D1: PIN_NUMBER "2" at 865,3245 h25 r270; PIN_NUMBER "3" at 955,3285 h25 r270; PIN_NUMBER "1" at 865,3325 h25 r270
D2: PIN_NUMBER "3" at 1070,3600 h25 r270; PIN_NUMBER "2" at 980,3560 h25 r270; PIN_NUMBER "1" at 980,3640 h25 r270
D3: PIN_NUMBER "2" at 980,3385 h25 r270; PIN_NUMBER "3" at 1070,3425 h25 r270; PIN_NUMBER "1" at 980,3465 h25 r270
D4: PIN_NUMBER "2" at 800,3415 h25 r270; PIN_NUMBER "3" at 890,3455 h25 r270; PIN_NUMBER "1" at 800,3495 h25 r270
D5: PIN_NUMBER "K" at 5495,2575.74 h25 r90; PIN_NUMBER "A" at 5495,2418.26 h25 r90
D6: PIN_NUMBER "A" at 5806.92,2750 h3.94 r180; PIN_NUMBER "K" at 5869.92,2750 h3.94 r180
D7: PIN_NUMBER "K" at 5378.73,2523.8 h3.94 r270; PIN_NUMBER "A" at 5378.73,2376.16 h3.94 r270; ASSEMBLY_TOP "BZX84C13" at 5371.45,2463.68 h25 r270; ASSEMBLY_TOP "*" at 5371.45,2463.68 h25 r270; ASSEMBLY_TOP "*" at 5371.45,2463.68 h25 r270
D8: PIN_NUMBER "A" at 1180,3005 h25 r270; PIN_NUMBER "K" at 1180,2945 h25 r270
D9: PIN_NUMBER "A" at 1260,3005 h25 r270; PIN_NUMBER "K" at 1260,2945 h25 r270
D10: PIN_NUMBER "A" at 1335,3005 h25 r270; PIN_NUMBER "K" at 1335,2945 h25 r270
D11: PIN_NUMBER "A" at 1415,3005 h25 r270; PIN_NUMBER "K" at 1415,2945 h25 r270
F1: PIN_NUMBER "1" at 5548.08,2948.66 h24 r180; PIN_NUMBER "2" at 5382.72,2948.66 h24 r180; PLACE_BOUND_TOP "H=0.85MM" at 5574.87,2917.29 h24 r180
F2: PIN_NUMBER "2" at 129.16,2810 h25 r90; PIN_NUMBER "1" at 129.16,2870 h25 r90; PLACE_BOUND_BOTTOM "H=0.8MM" at 149.5,2954.5 h31 r90
J2: PIN_NUMBER "7" at 633.43,3637.32 h3.94; PIN_NUMBER "8" at 633.43,3902.68 h3.94; PIN_NUMBER "6" at 533.43,3902.68 h3.94; PIN_NUMBER "4" at 433.43,3902.68 h3.94; PIN_NUMBER "10" at 731.85,3902.68 h3.94; PIN_NUMBER "2" at 333.43,3902.68 h3.94; PIN_NUMBER "5" at 533.43,3637.32 h3.94; PIN_NUMBER "9" at 733.43,3637.32 h3.94; PIN_NUMBER "1" at 333.43,3637.32 h3.94; PIN_NUMBER "3" at 433.43,3637.32 h3.94; ASSEMBLY_TOP "*" at 526.14,3783.7 h25 r270; ASSEMBLY_TOP "*" at 526.14,3783.7 h25 r270; ASSEMBLY_TOP "JTAG" at 526.14,3783.7 h25 r270
J3: PIN_NUMBER "1" at 4932.64,2509.41 h3.94 r270; PIN_NUMBER "2" at 5032.64,2509.41 h3.94 r270; ASSEMBLY_TOP "*" at 4928.11,2521.14 h25 r270; ASSEMBLY_TOP "*" at 4928.11,2521.14 h25 r270; ASSEMBLY_TOP "CON2" at 4928.11,2521.14 h25 r270
J4: PIN_NUMBER "4" at 3594.53,3788.82 h25 r180; PIN_NUMBER "2" at 3645.72,3788.82 h25 r180; PIN_NUMBER "1" at 3671.31,3788.82 h25 r180; PIN_NUMBER "3" at 3620.13,3788.82 h25 r180; PIN_NUMBER "9" at 3478.39,3923.23 h25 r180; PIN_NUMBER "8" at 3761.85,3923.23 h25 r180; PIN_NUMBER "7" at 3478.39,3786.62 h25 r180; PIN_NUMBER "6" at 3761.85,3786.62 h25 r180; PIN_NUMBER "5" at 3568.95,3788.82 h25 r180; PIN_NUMBER "11" at 3541.07,3968.51 h25 r180; PIN_NUMBER "10" at 3659.18,3968.51 h25 r180
J5: PIN_NUMBER "3" at 672.49,3431.27 h23.62 r180; PIN_NUMBER "5" at 585.87,3431.27 h23.62 r180; PIN_NUMBER "8" at 455.95,3431.27 h23.62 r180; PIN_NUMBER "7" at 499.26,3431.27 h23.62 r180; PIN_NUMBER "11" at 930.77,3454.89 h23.62 r180; PIN_NUMBER "12" at 355.96,3832.85 h23.62 r180; PIN_NUMBER "6" at 542.57,3431.27 h23.62 r180; PIN_NUMBER "13" at 966.2,3832.85 h23.62 r180; PIN_NUMBER "10" at 346.12,3454.89 h23.62 r180; PIN_NUMBER "1" at 759.1,3431.27 h23.62 r180; PIN_NUMBER "4" at 629.18,3431.27 h23.62 r180; PIN_NUMBER "2" at 715.8,3431.27 h23.62 r180; PIN_NUMBER "9" at 412.65,3431.27 h23.62 r180
J6: PIN_NUMBER "A3" at 5560.19,3490.16 h3.94 r270; PIN_NUMBER "B2" at 5638.93,3387.8 h3.94 r270; PIN_NUMBER "B3" at 5560.19,3387.8 h3.94 r270; PIN_NUMBER "B1" at 5737.36,3387.8 h3.94 r270; PIN_NUMBER "A2" at 5638.93,3490.16 h3.94 r270; PIN_NUMBER "A1" at 5737.36,3490.16 h3.94 r270; PIN_NUMBER "A4" at 5461.76,3490.16 h3.94 r270; PIN_NUMBER "B4" at 5461.76,3387.8 h3.94 r270; PIN_NUMBER "S3" at 5852.32,3602.37 h3.94 r270; PIN_NUMBER "S4" at 5340.5,3602.37 h3.94 r270; PIN_NUMBER "S1" at 5852.32,3374.02 h3.94 r270; PIN_NUMBER "S2" at 5340.5,3374.02 h3.94 r270; ASSEMBLY_TOP "DUAL USB" at 5593.86,3452.68 h25 r270; ASSEMBLY_TOP "*" at 5593.86,3452.68 h25 r270; ASSEMBLY_TOP "*" at 5593.86,3452.68 h25 r270
J7: PIN_NUMBER "B1" at 5064.14,3387.8 h3.94 r270; PIN_NUMBER "A3" at 4886.97,3490.16 h3.94 r270; PIN_NUMBER "B3" at 4886.97,3387.8 h3.94 r270; PIN_NUMBER "A1" at 5064.14,3490.16 h3.94 r270; PIN_NUMBER "A2" at 4965.71,3490.16 h3.94 r270; PIN_NUMBER "B2" at 4965.71,3387.8 h3.94 r270; PIN_NUMBER "A4" at 4788.54,3490.16 h3.94 r270; PIN_NUMBER "B4" at 4788.54,3387.8 h3.94 r270; PIN_NUMBER "S3" at 5179.1,3602.37 h3.94 r270; PIN_NUMBER "S1" at 5179.1,3374.02 h3.94 r270; PIN_NUMBER "S2" at 4667.28,3374.02 h3.94 r270; PIN_NUMBER "S4" at 4667.28,3602.37 h3.94 r270; ASSEMBLY_TOP "DUAL USB" at 4920.64,3452.68 h25 r270; ASSEMBLY_TOP "*" at 4920.64,3452.68 h25 r270; ASSEMBLY_TOP "*" at 4920.64,3452.68 h25 r270
J8: PIN_NUMBER "5" at 4258.24,3224.82 h3.94; PIN_NUMBER "7" at 4158.24,3224.82 h3.94; PIN_NUMBER "14" at 3970.63,3767.72 h3.94; PIN_NUMBER "11" at 4492.3,3767.72 h3.94; PIN_NUMBER "10" at 4006.66,3324.82 h3.94; PIN_NUMBER "16" at 3923.39,3454.73 h3.94; PIN_NUMBER "15" at 4533.23,3454.73 h3.94; PIN_NUMBER "4" at 4308.24,3324.82 h3.94; PIN_NUMBER "8" at 4108.24,3324.82 h3.94; PIN_NUMBER "1" at 4458.24,3224.82 h3.94; PIN_NUMBER "3" at 4358.24,3224.82 h3.94; PIN_NUMBER "6" at 4208.24,3324.82 h3.94; PIN_NUMBER "9" at 4058.24,3224.82 h3.94; PIN_NUMBER "13" at 4070.63,3767.72 h3.94; PIN_NUMBER "2" at 4408.24,3324.82 h3.94; PIN_NUMBER "12" at 4392.3,3767.72 h3.94; ASSEMBLY_TOP "HR911130A" at 4229.7,3571.98 h15.75; ASSEMBLY_TOP "*" at 4229.7,3571.98 h15.75; ASSEMBLY_TOP "*" at 4229.7,3571.98 h15.75
J9: PIN_NUMBER "1" at 407.48,2139.28 h3.94 r90; PIN_NUMBER "11" at -137.01,2174.91 h3.94 r90; PIN_NUMBER "12" at -137.01,2074.91 h3.94 r90; PIN_NUMBER "5" at 407.48,1939.28 h3.94 r90; PIN_NUMBER "13" at -137.01,1753.26 h3.94 r90; PIN_NUMBER "4" at 307.48,1989.28 h3.94 r90; PIN_NUMBER "9" at 407.48,1739.28 h3.94 r90; PIN_NUMBER "14" at -137.01,1653.26 h3.94 r90; PIN_NUMBER "6" at 307.48,1889.28 h3.94 r90; PIN_NUMBER "7" at 407.48,1839.28 h3.94 r90; PIN_NUMBER "8" at 307.48,1789.28 h3.94 r90; PIN_NUMBER "2" at 307.48,2089.28 h3.94 r90; PIN_NUMBER "3" at 407.48,2039.28 h3.94 r90; PIN_NUMBER "16" at 172.83,1609.16 h3.94 r90; PIN_NUMBER "10" at 305.9,1689.28 h3.94 r90; PIN_NUMBER "15" at 172.83,2219 h3.94 r90; ASSEMBLY_TOP "HR911130A" at 61.89,1909.16 h15.75 r90; ASSEMBLY_TOP "*" at 61.89,1909.16 h15.75 r90; ASSEMBLY_TOP "*" at 61.89,1909.16 h15.75 r90
J10: PIN_NUMBER "14" at 24.97,2784.17 h25 r270; PIN_NUMBER "18" at 24.97,2862.91 h25 r270; PIN_NUMBER "16" at 24.97,2823.54 h25 r270; PIN_NUMBER "13" at 24.97,2764.49 h25 r270; PIN_NUMBER "10" at 24.97,2705.43 h25 r270; PIN_NUMBER "3" at 44.97,2567.63 h25 r270; PIN_NUMBER "1" at 44.97,2528.26 h25 r270; PIN_NUMBER "9" at 44.97,2685.74 h25 r270; PIN_NUMBER "12" at 24.97,2744.8 h25 r270; PIN_NUMBER "7" at 44.97,2646.37 h25 r270; PIN_NUMBER "15" at 24.97,2803.86 h25 r270; PIN_NUMBER "19" at 24.97,2882.6 h25 r270; PIN_NUMBER "6" at 44.97,2626.69 h25 r270; PIN_NUMBER "4" at 44.97,2587.32 h25 r270; PIN_NUMBER "BO3" at -250.94,2420 h25 r270; PIN_NUMBER "BO2" at -14.72,2990.86 h25 r270; PIN_NUMBER "BO4" at -250.94,2990.86 h25 r270; PIN_NUMBER "2" at 44.97,2547.95 h25 r270; PIN_NUMBER "5" at 44.97,2607 h25 r270; PIN_NUMBER "8" at 44.97,2666.06 h25 r270; PIN_NUMBER "11" at 24.97,2725.12 h25 r270; PIN_NUMBER "17" at 24.97,2843.23 h25 r270; PIN_NUMBER "BO1" at -14.72,2420 h25 r270
J11: PIN_NUMBER "6" at 2596.41,2298.07 h3.94 r180; PIN_NUMBER "34" at 2594.84,2022.48 h3.94 r180; PIN_NUMBER "36" at 2594.84,2002.79 h3.94 r180; PIN_NUMBER "46" at 2594.84,1904.37 h3.94 r180; PIN_NUMBER "48" at 2594.84,1884.68 h3.94 r180; PIN_NUMBER "56" at 2594.84,1805.94 h3.94 r180; PIN_NUMBER "58" at 2594.84,1786.26 h3.94 r180; PIN_NUMBER "67" at 2297.59,1697.67 h3.94 r180; PIN_NUMBER "8" at 2596.41,2278.38 h3.94 r180; PIN_NUMBER "20" at 2594.84,2160.27 h3.94 r180; PIN_NUMBER "22" at 2594.84,2140.59 h3.94 r180; PIN_NUMBER "24" at 2594.84,2120.9 h3.94 r180; PIN_NUMBER "26" at 2594.84,2101.22 h3.94 r180; PIN_NUMBER "28" at 2594.84,2081.53 h3.94 r180; PIN_NUMBER "30" at 2594.84,2061.85 h3.94 r180; PIN_NUMBER "32" at 2594.84,2042.16 h3.94 r180; PIN_NUMBER "29" at 2297.59,2071.69 h3.94 r180; PIN_NUMBER "17" at 2297.59,2189.8 h3.94 r180; PIN_NUMBER "5" at 2299.17,2307.91 h3.94 r180; PIN_NUMBER "31" at 2297.59,2052 h3.94 r180; PIN_NUMBER "19" at 2297.59,2170.11 h3.94 r180; PIN_NUMBER "7" at 2299.17,2288.22 h3.94 r180; PIN_NUMBER "35" at 2297.59,2012.63 h3.94 r180; PIN_NUMBER "23" at 2297.59,2130.74 h3.94 r180; PIN_NUMBER "11" at 2297.59,2248.85 h3.94 r180; PIN_NUMBER "37" at 2297.59,1992.95 h3.94 r180; PIN_NUMBER "25" at 2297.59,2111.06 h3.94 r180; PIN_NUMBER "13" at 2297.59,2229.17 h3.94 r180; PIN_NUMBER "41" at 2297.59,1953.58 h3.94 r180; PIN_NUMBER "43" at 2297.59,1933.89 h3.94 r180; PIN_NUMBER "69" at 2297.59,1677.99 h3.94 r180; PIN_NUMBER "55" at 2297.59,1815.78 h3.94 r180; PIN_NUMBER "47" at 2297.59,1894.52 h3.94 r180; PIN_NUMBER "44" at 2594.84,1924.05 h3.94 r180; PIN_NUMBER "68" at 2594.84,1687.83 h3.94 r180; PIN_NUMBER "42" at 2594.84,1943.74 h3.94 r180; PIN_NUMBER "10" at 2594.84,2258.7 h3.94 r180; PIN_NUMBER "49" at 2297.59,1874.84 h3.94 r180; PIN_NUMBER "50" at 2594.84,1865 h3.94 r180; PIN_NUMBER "53" at 2297.59,1835.47 h3.94 r180; PIN_NUMBER "40" at 2594.84,1963.42 h3.94 r180; PIN_NUMBER "54" at 2594.84,1825.63 h3.94 r180; PIN_NUMBER "52" at 2594.84,1845.31 h3.94 r180; PIN_NUMBER "38" at 2594.84,1983.11 h3.94 r180; PIN_NUMBER "73" at 2297.59,1638.62 h3.94 r180; PIN_NUMBER "51" at 2297.59,1855.15 h3.94 r180; PIN_NUMBER "39" at 2297.59,1973.26 h3.94 r180; PIN_NUMBER "27" at 2297.59,2091.37 h3.94 r180; PIN_NUMBER "15" at 2297.59,2209.48 h3.94 r180; PIN_NUMBER "3" at 2299.17,2327.59 h3.94 r180; PIN_NUMBER "75" at 2297.59,1618.93 h3.94 r180; PIN_NUMBER "9" at 2299.17,2268.54 h3.94 r180; PIN_NUMBER "21" at 2297.59,2150.43 h3.94 r180; PIN_NUMBER "33" at 2297.59,2032.32 h3.94 r180; PIN_NUMBER "45" at 2297.59,1914.21 h3.94 r180; PIN_NUMBER "57" at 2297.59,1796.1 h3.94 r180; PIN_NUMBER "1" at 2299.17,2347.28 h3.94 r180; PIN_NUMBER "71" at 2297.59,1658.3 h3.94 r180; PIN_NUMBER "12" at 2594.84,2239.01 h3.94 r180; PIN_NUMBER "18" at 2594.84,2179.96 h3.94 r180; PIN_NUMBER "4" at 2596.41,2317.75 h3.94 r180; PIN_NUMBER "72" at 2594.84,1648.46 h3.94 r180; PIN_NUMBER "70" at 2594.84,1668.14 h3.94 r180; PIN_NUMBER "74" at 2594.84,1628.78 h3.94 r180; PIN_NUMBER "2" at 2596.41,2337.44 h3.94 r180; PIN_NUMBER "16" at 2594.84,2199.64 h3.94 r180; PIN_NUMBER "14" at 2594.84,2219.33 h3.94 r180; ASSEMBLY_BOTTOM "*" at 2435.66,1991.96 h25 r180; ASSEMBLY_BOTTOM "*" at 2435.66,1991.96 h25 r180; ASSEMBLY_BOTTOM "M.2 Key M Socket 2/3  2280" at 2435.66,1991.96 h25 r180
J12: PIN_NUMBER "7" at 1037,1050.7 h3.94 r90; PIN_NUMBER "2" at 1037,1208.18 h3.94 r90; PIN_NUMBER "16" at 1358.27,1129.44 h3.94 r90; PIN_NUMBER "15" at 1358.27,1097.94 h3.94 r90; PIN_NUMBER "13" at 1358.27,1034.95 h3.94 r90; PIN_NUMBER "19" at 1358.27,1223.92 h3.94 r90; PIN_NUMBER "18" at 1358.27,1192.43 h3.94 r90; PIN_NUMBER "1" at 1037,1239.67 h3.94 r90; PIN_NUMBER "20" at 1358.27,1255.42 h3.94 r90; PIN_NUMBER "9" at 1037,987.7 h3.94 r90; PIN_NUMBER "10" at 1035.43,956.21 h3.94 r90; PIN_NUMBER "17" at 1358.27,1160.93 h3.94 r90; PIN_NUMBER "11" at 1358.27,971.96 h3.94 r90; PIN_NUMBER "14" at 1358.27,1066.44 h3.94 r90; PIN_NUMBER "3" at 1037,1176.68 h3.94 r90; PIN_NUMBER "12" at 1358.27,1003.45 h3.94 r90; PIN_NUMBER "4" at 1037,1145.18 h3.94 r90; PIN_NUMBER "6" at 1037,1082.19 h3.94 r90; PIN_NUMBER "5" at 1037,1113.69 h3.94 r90; PIN_NUMBER "8" at 1037,1019.2 h3.94 r90; ASSEMBLY_TOP "*" at 1186.3,1089.08 h25; ASSEMBLY_TOP "*" at 1186.3,1089.08 h25; ASSEMBLY_TOP "SPF CONNECTOR" at 1186.3,1089.08 h25
J13: PIN_NUMBER "9" at -26.53,1386.52 h25 r90; PIN_NUMBER "4" at 1351.42,264.48 h25 r90; PIN_NUMBER "12" at 1144.57,1386.52 h25 r90; PIN_NUMBER "8" at 1091.58,825.5 h25 r90; PIN_NUMBER "7" at 812.05,825.5 h25 r90; PIN_NUMBER "11" at 750.87,1386.52 h25 r90; PIN_NUMBER "10" at 357.17,1386.52 h25 r90; PIN_NUMBER "2" at 564.02,264.48 h25 r90; PIN_NUMBER "6" at 252.99,825.5 h25 r90; PIN_NUMBER "1" at 170.32,264.48 h25 r90; PIN_NUMBER "3" at 957.72,264.48 h25 r90; PIN_NUMBER "5" at -26.53,825.5 h25 r90